# KiCad board signalmesh.kicad_pcb (continued)
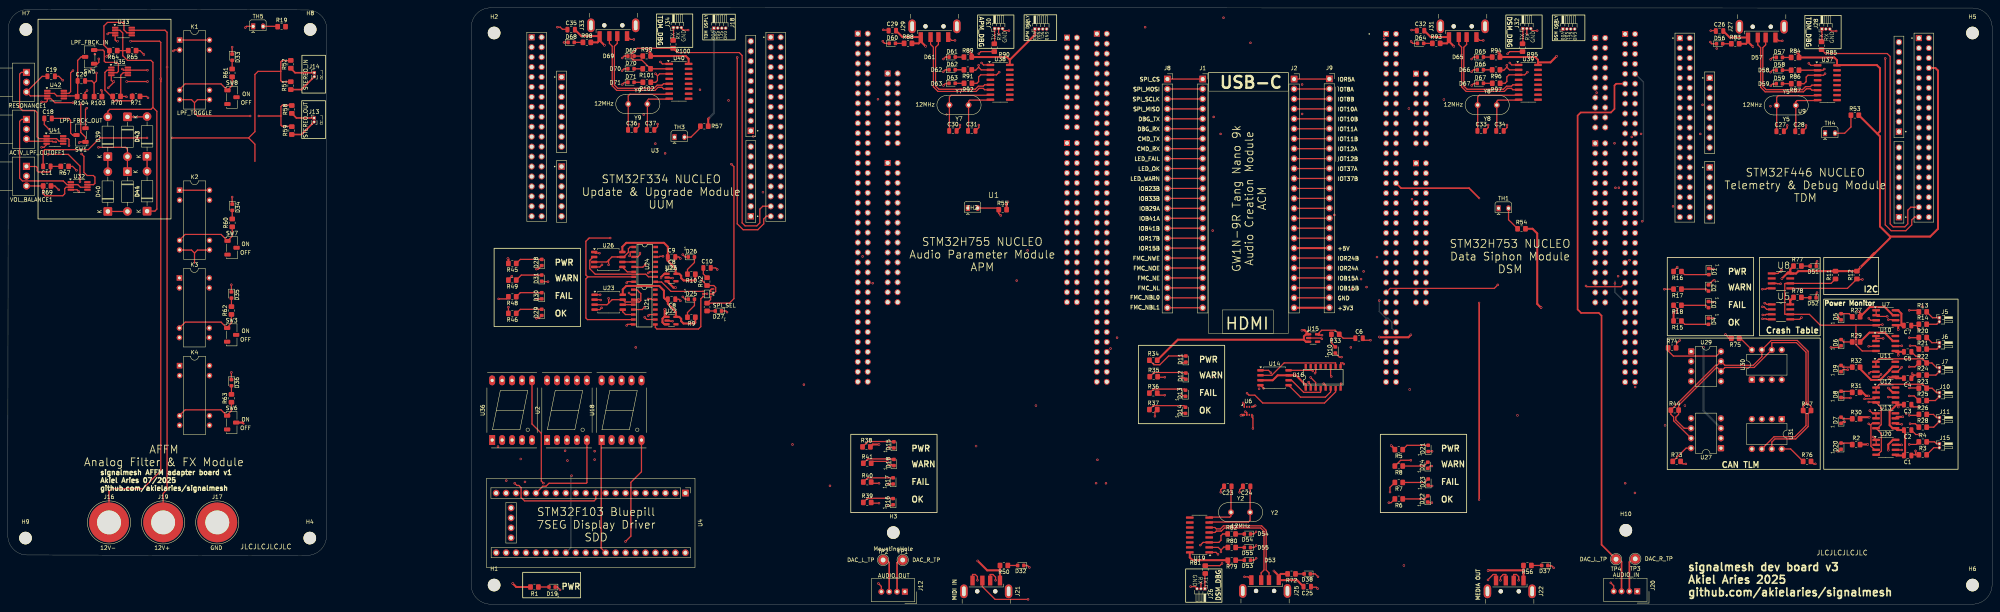
[diagram p0: board, top side]
## Nets (continued)
Net-(D13-A): D13.2 R36.1
Net-(D14-A): D14.2 R37.1
Net-(D15-A): D15.2 R38.1
Net-(D16-A): D16.2 R39.1
Net-(D17-A): D17.2 R40.1
Net-(D18-A): D18.2 R41.1
Net-(D19-A): D19.2 R1.1
Net-(D20-A): D20.2 R2.1
Net-(D21-A): D21.2 R5.1
Net-(D22-A): D22.2 R6.1
Net-(D23-A): D23.2 R7.1
Net-(D24-A): D24.2 R8.1
Net-(D25-A): D25.2 R9.2
Net-(D26-A): D26.2 R10.2
Net-(D27-A): D27.2 R43.2
Net-(D28-A): D28.2 R45.1
Net-(D29-A): D29.2 R46.1
Net-(D30-A): D30.2 R48.1
Net-(D31-A): D31.2 R49.1
Net-(D32-A): D32.2 R50.1
Net-(D33-A): D33.2 R61.2
Net-(D34-A): D34.2 R60.2
Net-(D35-A): D35.2 R62.2
Net-(D36-A): D36.2 R63.2
Net-(D37-A): D37.2 R56.1
Net-(D38-A): D38.2 R72.1
Net-(D39-A): D39.2 D44.1 R64.1 R65.2 U33.2
Net-(D39-K): D39.1 D40.2
Net-(D40-K): D40.1 D41.2
Net-(D41-K): D41.1 D42.2 R64.2 SW1.1 U33.6
Net-(D42-K): D42.1 D43.2
Net-(D43-K): D43.1 D44.2
Net-(D51-A): D51.2 R77.2
Net-(D52-A): D52.2 R78.2
Net-(D53-A): D53.2 R79.1
Net-(D54-A): D54.2 R82.2
Net-(D55-A): D55.2 R80.2
Net-(D56-A): D56.2 R83.1
Net-(D57-A): D57.2 R84.1
Net-(D58-A): D58.2 R86.2
Net-(D59-A): D59.2 R87.2
Net-(D60-A): D60.2 R88.1
Net-(D61-A): D61.2 R89.1
Net-(D62-A): D62.2 R91.2
Net-(D63-A): D63.2 R92.2
Net-(D64-A): D64.2 R93.1
Net-(D65-A): D65.2 R94.1
Net-(D66-A): D66.2 R96.2
Net-(D67-A): D67.2 R97.2
Net-(D68-A): D68.2 R98.1
Net-(D69-A): D69.2 R99.1
Net-(D70-A): D70.2 R101.2
Net-(D71-A): D71.2 R102.2
Net-(J5-Pin_1): J5.1 J5.2 R13.2 R14.2 U7.1 U7.2
Net-(J6-Pin_1): J6.1 J6.2 R20.2 R21.2 U10.1 U10.2
Net-(J7-Pin_1): J7.1 J7.2 R22.2 R24.2 U11.1 U11.2
Net-(J10-Pin_1): J10.1 J10.2 R23.2 R25.2 U12.1 U12.2
Net-(J11-Pin_1): J11.1 J11.2 R26.2 R28.2 U13.1 U13.2
Net-(J15-Pin_1): J15.1 J15.2 R3.2 R4.2 U20.1 U20.2
Net-(R19-Pad1): R19.1 TH5.2
Net-(SW1-A): R70.1 SW1.3 U35.6
Net-(SW1-B): C18.2 SW1.2
Net-(U2-A): U2.7 U4.28
Net-(U2-B): U2.6 U4.27
Net-(U2-C): U2.4 U4.26
Net-(U2-D): U2.2 U4.25
Net-(U2-DP): U2.5 U4.16
Net-(U2-E): U2.1 U4.24
Net-(U2-F): U2.9 U4.23
Net-(U2-G): U2.10 U4.17
Net-(U9A-PA4): R57.1 TH3.2 U9.CN7_32
Net-(U9A-PB0): R55.1 TH2.2 U9.CN7_34
Net-(U9A-PC0/PB8): R54.1 TH1.2 U9.CN7_38
Net-(U9A-PC1/PB9): R53.1 TH4.2 U9.CN7_36
Net-(U14-CLK): U14.6 U16.4
Net-(U14-DI/IO_{0}): U14.5 U16.6
Net-(U14-DO/IO_{1}): U14.2 U16.10
Net-(U14-VCC): C6.1 R33.1 U14.8 U15.5
Net-(U14-~{CS}): U14.1 U16.2
Net-(U18-A): U4.36 U18.7
Net-(U18-B): U4.35 U18.6
Net-(U18-C): U4.34 U18.4
Net-(U18-D): U4.33 U18.2
Net-(U18-DP): U4.29 U18.5
Net-(U18-E): U4.32 U18.1
Net-(U18-F): U4.31 U18.9
Net-(U18-G): U4.30 U18.10
Net-(U19-XI): C24.1 U19.7 Y2.1
Net-(U19-XO): C23.1 U19.8 Y2.2
Net-(U21-1Y): U21.2 U23.1
Net-(U21-2Y): U21.4 U23.6
Net-(U21-3Y): U21.6 U23.5
Net-(U21-4Y): U21.10 U23.2
Net-(U22-VOUT): C8.1 R9.1 U22.5 U23.8
Net-(U24-1Y): U24.2 U26.1
Net-(U24-2Y): U24.4 U26.6
Net-(U24-3Y): U24.6 U26.5
Net-(U24-4Y): U24.10 U26.2
Net-(U25-VOUT): C9.1 R10.1 U25.5 U26.8
Net-(U27-Rs): R73.1 U27.8
Net-(U29-Rs): R74.1 U29.8
Net-(U30-Rs): R75.1 U30.8
Net-(U31-Rs): R76.1 U31.8
Net-(U32-+): R69.2 U32.3 VOL_BALANCE1.3
Net-(U32--): ACTV_LPF_CUTOFF1.1 U32.2 U32.6
Net-(U35--): R70.2 R71.2 U35.2
Net-(U36-A): U4.15 U36.7
Net-(U36-B): U4.14 U36.6
Net-(U36-C): U4.13 U36.4
Net-(U36-D): U4.12 U36.2
Net-(U36-DP): U4.8 U36.5
Net-(U36-E): U4.11 U36.1
Net-(U36-F): U4.10 U36.9
Net-(U36-G): U4.9 U36.10
Net-(U37-XI): C27.1 U37.7 Y5.1
Net-(U37-XO): C28.1 U37.8 Y5.2
Net-(U38-XI): C30.1 U38.7 Y7.1
Net-(U38-XO): C31.1 U38.8 Y7.2
Net-(U39-XI): C33.1 U39.7 Y8.1
Net-(U39-XO): C34.1 U39.8 Y8.2
Net-(U40-XI): C36.1 U40.7 Y9.1
Net-(U40-XO): C37.1 U40.8 Y9.2
Net-(U41-+): ACTV_LPF_CUTOFF1.3 C18.1 U41.3
Net-(U41--): RESONANCE1.1 U41.2 U41.6
Net-(U42-+): C19.1 RESONANCE1.3 U42.3

Pads without a net: ACTV_LPF_CUTOFF1 2; J1 12 13 14 15 16 17; J2 17 19 20 21 22; J8 12 13 14 15 16 17; J9 17 19 20 21 22; J12 1; J17 1; J20 1; J21 5; J22 5; J25 5; J27 5; J29 5; J31 5; J33 5; K1 9 13; K2 9 13; K3 9 13; K4 9 13; RESONANCE1 2; SW3 3; SW6 3; SW7 3; SW8 3; U1 CN7_1 CN7_2 CN7_3 CN7_4 CN7_5 CN7_6 CN7_7 CN7_8 CN7_9 CN7_10 CN7_11 CN7_12 CN7_13 CN7_14 CN7_15 CN7_16 CN7_17 CN7_18 CN7_19 CN7_20 CN8_1 CN8_2 CN8_3 CN8_4 CN8_5 CN8_6 CN8_7 CN8_8 CN8_9 CN8_10 CN8_11 CN8_12 CN8_13 CN8_14 CN8_15 CN8_16 CN9_1 CN9_2 CN9_3 CN9_4 CN9_5 CN9_6 CN9_7 CN9_8 CN9_9 CN9_10 CN9_11 CN9_12 CN9_13 CN9_14 CN9_15 CN9_16 CN9_17 CN9_18 CN9_19 CN9_20 CN9_21 CN9_22 CN9_23 CN9_24 CN9_25 CN9_26 CN9_27 CN9_28 CN9_29 CN9_30 CN10_1 CN10_2 CN10_3 CN10_4 CN10_5 CN10_6 CN10_7 CN10_8 CN10_9 CN10_10 CN10_11 CN10_12 CN10_13 CN10_14 CN10_15 CN10_16 CN10_17 CN10_18 CN10_19 CN10_20 CN10_21 CN10_22 CN10_23 CN10_24 CN10_25 CN10_26 CN10_27 CN10_28 CN10_29 CN10_30 CN10_31 CN10_32 CN10_33 CN10_34 CN11_5 CN11_6 CN11_7 CN11_9 CN11_10 CN11_11 CN11_12 CN11_13 CN11_14 CN11_15 CN11_16 CN11_17 CN11_21 CN11_23 CN11_24 CN11_25 CN11_26 CN11_27 CN11_28 CN11_29 CN11_30 CN11_31 CN11_33 CN11_34 CN11_35 CN11_36 CN11_37 CN11_38 CN11_39 CN11_40 CN11_41 CN11_42 CN11_43 CN11_44 CN11_45 CN11_46 CN11_48 CN11_50 CN11_52 CN11_54 CN11_55 CN11_56 CN11_57 CN11_58 CN11_59 CN11_61 CN11_64 CN11_65 CN11_66 CN11_67 CN11_68 CN11_69 CN11_70 CN12_1 CN12_2 CN12_7 CN12_8 CN12_9 CN12_10 CN12_13 CN12_15 CN12_16 CN12_17 CN12_18 CN12_19 CN12_20 CN12_21 CN12_22 CN12_23 CN12_24 CN12_25 CN12_26 CN12_27 CN12_28 CN12_29 CN12_30 CN12_31 CN12_32 CN12_33 CN12_35 CN12_36 CN12_37 CN12_38 CN12_39 CN12_40 CN12_41 CN12_42 CN12_43 CN12_44 CN12_45 CN12_46 CN12_47 CN12_48 CN12_49 CN12_50 CN12_51 CN12_52 CN12_53 CN12_54 CN12_55 CN12_56 CN12_57 CN12_58 CN12_59 CN12_60 CN12_62 CN12_63 CN12_64 CN12_65 CN12_66 CN12_67 CN12_68 CN12_69 CN12_70 CN12_71 CN12_72; U3 CN5_1 CN5_2 CN5_3 CN5_4 CN5_5 CN5_6 CN5_7 CN5_8 CN5_9 CN5_10 CN6_1 CN6_2 CN6_3 CN6_4 CN6_5 CN6_6 CN6_7 CN6_8 CN7_1 CN7_2 CN7_3 CN7_4 CN7_5 CN7_6 CN7_7 CN7_8 CN7_9 CN7_10 CN7_11 CN7_12 CN7_13 CN7_14 CN7_15 CN7_17 CN7_19 CN7_20 CN7_21 CN7_22 CN7_23 CN7_24 CN7_26 CN7_27 CN7_28 CN7_29 CN7_30 CN7_31 CN7_32 CN7_33 CN7_34 CN7_37 CN8_1 CN8_2 CN8_3 CN8_4 CN8_5 CN8_6 CN9_1 CN9_2 CN9_3 CN9_4 CN9_5 CN9_6 CN9_7 CN9_8 CN10_1 CN10_2 CN10_4 CN10_6 CN10_7 CN10_8 CN10_10 CN10_12 CN10_14 CN10_16 CN10_17 CN10_18 CN10_19 CN10_22 CN10_24 CN10_25 CN10_26 CN10_27 CN10_28 CN10_29 CN10_30 CN10_31 CN10_32 CN10_33 CN10_34 CN10_36 CN10_38; U4 1 2 3 4 5 19 20 21 22 37 38 40 41 42 43 44; U5 7; U6 2 3 6; U8 2 7; U9 CN5_1 CN5_2 CN5_3 CN5_4 CN5_5 CN5_6 CN5_7 CN5_8 CN5_9 CN5_10 CN6_1 CN6_2 CN6_3 CN6_4 CN6_5 CN6_6 CN6_7 CN6_8 CN7_1 CN7_2 CN7_3 CN7_4 CN7_5 CN7_6 CN7_7 CN7_8 CN7_9 CN7_10 CN7_11 CN7_12 CN7_13 CN7_14 CN7_15 CN7_16 CN7_17 CN7_18 CN7_19 CN7_20 CN7_21 CN7_22 CN7_23 CN7_24 CN7_25 CN7_26 CN7_27 CN7_28 CN7_29 CN7_30 CN7_31 CN7_33 CN7_35 CN7_37 CN8_1 CN8_2 CN8_3 CN8_4 CN8_5 CN8_6 CN9_1 CN9_2 CN9_3 CN9_4 CN9_5 CN9_6 CN9_7 CN9_8 CN10_1 CN10_2 CN10_4 CN10_7 CN10_10 CN10_13 CN10_15 CN10_16 CN10_17 CN10_18 CN10_19 CN10_21 CN10_22 CN10_23 CN10_24 CN10_25 CN10_26 CN10_27 CN10_28 CN10_29 CN10_30 CN10_31 CN10_32 CN10_33 CN10_36 CN10_38; U15 4; U16 12 13 15 16; U17 CN7_1 CN7_2 CN7_3 CN7_4 CN7_5 CN7_6 CN7_7 CN7_8 CN7_9 CN7_10 CN7_11 CN7_12 CN7_13 CN7_14 CN7_15 CN7_16 CN7_17 CN7_18 CN7_19 CN7_20 CN8_1 CN8_2 CN8_3 CN8_4 CN8_5 CN8_6 CN8_7 CN8_8 CN8_9 CN8_10 CN8_11 CN8_12 CN8_13 CN8_14 CN8_15 CN8_16 CN9_1 CN9_2 CN9_3 CN9_4 CN9_5 CN9_6 CN9_7 CN9_8 CN9_9 CN9_10 CN9_11 CN9_12 CN9_13 CN9_14 CN9_15 CN9_16 CN9_17 CN9_18 CN9_19 CN9_20 CN9_21 CN9_22 CN9_23 CN9_24 CN9_25 CN9_26 CN9_27 CN9_28 CN9_29 CN9_30 CN10_1 CN10_2 CN10_3 CN10_4 CN10_5 CN10_6 CN10_7 CN10_8 CN10_9 CN10_10 CN10_11 CN10_12 CN10_13 CN10_14 CN10_15 CN10_16 CN10_17 CN10_18 CN10_19 CN10_20 CN10_21 CN10_22 CN10_23 CN10_24 CN10_25 CN10_26 CN10_27 CN10_28 CN10_29 CN10_30 CN10_31 CN10_32 CN10_33 CN10_34 CN11_1 CN11_2 CN11_5 CN11_6 CN11_7 CN11_9 CN11_10 CN11_11 CN11_12 CN11_13 CN11_14 CN11_15 CN11_16 CN11_17 CN11_23 CN11_24 CN11_25 CN11_26 CN11_27 CN11_28 CN11_29 CN11_30 CN11_31 CN11_33 CN11_34 CN11_35 CN11_36 CN11_37 CN11_38 CN11_42 CN11_43 CN11_44 CN11_45 CN11_46 CN11_48 CN11_50 CN11_52 CN11_54 CN11_56 CN11_58 CN11_59 CN11_63 CN11_64 CN11_65 CN11_66 CN11_67 CN11_68 CN11_70 CN12_1 CN12_2 CN12_7 CN12_8 CN12_9 CN12_13 CN12_15 CN12_16 CN12_17 CN12_18 CN12_20 CN12_21 CN12_22 CN12_23 CN12_24 CN12_25 CN12_26 CN12_27 CN12_28 CN12_29 CN12_30 CN12_31 CN12_32 CN12_33 CN12_35 CN12_36 CN12_37 CN12_38 CN12_39 CN12_41 CN12_42 CN12_43 CN12_45 CN12_50 CN12_54 CN12_57 CN12_58 CN12_59 CN12_60 CN12_61 CN12_62 CN12_63 CN12_66 CN12_67 CN12_68 CN12_69 CN12_70 CN12_71 CN12_72; U19 4 9 10 11 12 13 14 15; U21 12 13 15 16; U22 4; U24 12 13 15 16; U25 4; U27 5; U29 5; U30 5; U31 5; U32 1 5 8; U33 1 5 8; U35 1 5 8; U37 4 9 10 11 12 13 14 15; U38 4 9 10 11 12 13 14 15; U39 4 9 10 11 12 13 14 15; U40 4 9 10 11 12 13 14 15; U41 1 5 8; U42 1 5 8; VOL_BALANCE1 2

## Via types
v1: diameter 0.6, hole 0.3, Top to Bottom, 338 vias
v2: diameter 0.6, hole 0.4, Top to Bottom, 61 vias
v3: diameter 0.5, hole 0.3, Top to Bottom, 4 vias

## Routing (per net, layer and track width the routed paths; a pad name or vN(x,y) marks a point on that pad's centre or on a via; arc(x,y) is an arc through that point)
3V3_ACM: length 40.3
  Top w0.5: U14.3 322.55,57.19 323.82,58.46 U14.7 327.69,58.46 v2(328.08,58.84) 330.69,56.22 330.97,56.22 U16.1 ; J2.24 336.96,75.7 J9.24
  In1.Cu w0.5: J2.24 328,58.91 v2(328.08,58.84)
5V_7SDD: length 395.8
  Top w0.5: R1.2 129.65,4.38 v2(128.75,5.28) ; v2(479.52,39.34) 479.52,40.77 480.71,41.96 U20.8
  In1.Cu w0.5: v2(128.75,5.28) 127.64,6.39 127.64,8.1 123.17,12.58 123.17,21.95 U4.18 130.05,28.83 130.05,31.21 129.85,31.41 129.85,36.13 v2(130.8,37.08)
  In2.Cu w0.5: v2(130.8,37.08) 131.95,38.23 478.41,38.23 v2(479.52,39.34)
5V_TDM: length 59.5
  Top w0.5: C7.2 482.95,71.16 482.86,71.25 ; U20.5 481.57,37.97 C1.2 483.81,38.26 483.81,44.16 C2.2 481.83,44.45 U13.5 480.64,44.94 479.87,45.71 479.87,49.17 481.79,51.09 ; C4.2 481.5,57.71 481.31,57.9 ; 482.86,71.25 482.86,74.22 482.01,75.06 U7.8 ; 482.86,71.25 482.05,71.25 ; U10.5 481.54,64.46 482.07,64.46 ; 482.05,71.25 v2(482.05,70.12) ; 482.05,71.25 U7.5 ; 481.79,51.09 U12.5 ; 481.79,51.09 481.92,50.96 482.07,50.96 ; v2(482.07,63.58) 482.07,64.46 ; 482.07,64.46 C5.2 ; C3.2 482.07,50.96 ; 482.07,50.96 v2(482.07,50.34) ; v2(479.6,57.86) 479.64,57.9 481.31,57.9 ; 481.31,57.9 U11.5
  In1.Cu w0.5: v2(482.05,70.12) 482.05,63.59 v2(482.07,63.58) 479.6,61.11 v2(479.6,57.86) 482.07,55.4 v2(482.07,50.34)
/AFFM/AFFM_filters/LPFs/12V+: length 186.5
  Top w0.3: U32.7 21.86,107.14 22.2,107.48 22.2,109.08 21.8,109.48 20.2,109.48 19.4,110.28 19.4,114.38 v1(18.8,114.98) ; U41.7 15.39,118.89 15.6,118.68 v1(15.6,117.08) ; J19.1 39.6,28.28 40.6,29.28 40.6,146.08 40.1,146.58 U33.7 ; 35.49,136.39 U35.7 29.49,136.39 v1(29.2,136.68) ; U42.7 15.58,130.46 16,130.88 16,135.68 v1(16.6,136.28)
  In1.Cu w0.3: v1(21.2,136.68) v1(29.2,136.68) ; 40.55,137.13 39.8,136.38 v1(35.6,136.38) ; v1(18.8,114.98) 18.4,115.38 16.3,115.38 15.6,116.08 v1(15.6,117.08)
  In2.Cu w0.3: v1(21.2,136.68) 20.8,136.28 v1(16.6,136.28)
  vias: v1(40.6,137.18)
/AFFM/AFFM_filters/LPFs/12V-: length 218.4
  Top w0.3: 39,133.48 39,34.08 34.4,29.48 26.5,29.48 25.8,28.78 J16.1 ; 39,133.48 v1(39,134.18) ; 39,133.48 39,143.48 38.7,143.78 v2(31.3,143.78) ; 26.38,134.98 26.38,133.81 26.7,133.48 ; v2(28,143.78) 27.7,143.78 27.38,144.11 U33.4 ; v1(25.6,131.88) 27,133.28 v2(27,133.48) ; U41.4 9.89,117.37 9.2,116.68 v1(8.6,116.68) ; v1(10.2,114.88) 15.4,114.88 18.4,111.88 v1(18.4,107.88) ; v1(8.6,128.28) 9.8,128.28 10.06,128.54 U42.4 10.92,129.16 12,128.08 v1(16.6,128.08) ; U32.4 17.64,105.84 v1(18.1,105.38) ; v2(30.3,133.48) v1(35.6,133.48)
  In1.Cu w0.3: v1(10.2,114.88) 9.4,114.88 8.6,115.68 v1(8.6,116.68) 8.2,117.08 8.2,127.88 v1(8.6,128.28) ; v1(18.1,105.38) 18.4,105.68 v1(18.4,107.88) ; v2(28,143.78) v2(31.3,143.78) ; v1(39,134.18) 38.3,133.48 v1(35.6,133.48) ; v2(27,133.48) v2(30.3,133.48)
  In2.Cu w0.3: v1(25.6,131.88) 25.6,129.88 25.2,129.48 18.8,129.48 17.4,128.08 v1(16.6,128.08)
GND: length 314.6
  Top w0.3: 33.75,129.68 35.38,129.68 v1(35.75,129.31) ; U5.1 448.51,76.56 448.19,76.88 v1(448,76.88) ; v1(151.5,86.68) 150.95,86.13 U26.4 ; v1(163.31,84.59) 163.6,84.88 165.19,84.88 U24.11 ; 57.2,102.18 v1(57.2,103.98) ; v1(34.7,140.38) 33.7,141.38 R65.1 ; v1(299.29,48.87) 300.14,48.87 D14.1 ; v1(452.06,81.84) 451.18,81.84 451.09,81.93 U8.3 ; 461.16,78.36 461.16,78.88 ; 461.16,78.88 461.11,78.83 D52.1 ; 461.16,78.88 461.16,79.39 v1(461.35,79.58) ; v1(466.25,146.38) 465,146.38 464.6,146.78 J28.3 ; C19.2 13,134.81 v1(14,133.81) ; v1(180.91,85.48) 180.5,85.88 C10.2 ; v1(42.2,141.28) 42.46,141.54 K1.2 ; v1(173.5,146.63) 172.25,146.63 171.85,147.03 171.85,147.15 ; v1(223.12,143.79) 223.12,143.69 223.55,143.26 223.55,143.23 D60.1 ; v1(466.57,39.06) 466.97,39.06 D20.1 ; U8.4 448.51,80.66 448.3,80.45 v1(447.4,80.45) ; J26.3 303.25,4.08 302.85,4.48 v1(301.6,4.48) ; C3.1 485.98,50.39 v1(487.37,50.39) ; v1(166.4,138.49) 166.9,137.99 U40.1 ; 239.57,132.98 240.05,132.98 ; 239.57,132.98 239.96,132.98 D63.1 ; 239.57,132.98 239.09,132.98 v1(238.59,132.48) ; D5.1 466.8,73.3 v1(466.74,73.3) ; J21.4 246,7.58 246.7,7.58 247.25,7.04 v1(247.25,6.1) ; 374.73,139.73 D65.1 373.77,139.73 v1(373.27,139.23) ; D28.1 135.23,85.57 v1(134.78,85.57) ; 240.03,139.73 D61.1 239.07,139.73 v1(238.57,139.23) ; 409.5,3.36 409.5,4.71 v1(408.75,5.46) ; R20.1 487.26,68.06 v1(484.87,68.06) ; v1(435.15,82.71) 434.83,82.71 D2.1 ; U39.1 383.5,137.73 v1(383,138.23) ; R69.1 12,106.81 v1(13,105.81) ; 481.35,46.21 481.61,45.94 v1(482.94,45.94) ; v1(160.9,122.64) 160.9,121.99 C36.2 ; 157.67,133.24 157.19,133.24 v1(156.69,132.74) ; 157.67,133.24 158.06,133.24 D71.1 ; 157.67,133.24 158.15,133.24 ; R13.1 486.92,75.05 v1(484.87,75.05) ; v1(223.22,146.69) 223.25,146.66 223.25,146.63 224.45,146.63 C29.1 ; C34.2 382.3,121.73 v1(382.3,122.38) ; 317.33,17.98 316.94,17.98 D54.1 ; 317.33,17.98 317.81,17.98 v1(318.31,18.48) ; 317.33,17.98 316.85,17.98 ; v1(447.4,75.96) 447.84,75.96 448.51,75.29 U5.2 ; v1(315,51.4) 315.3,51.1 U6.1 ; 450.52,132.88 450.04,132.88 v1(449.54,132.38) ; 450.52,132.88 451,132.88 ; 450.52,132.88 450.91,132.88 D59.1 ; v1(426.34,67.38) 425.52,66.56 425.52,65.58 R74.2 ; D15.1 225.79,40.05 v1(224.65,40.05) ; C33.2 377.5,121.73 v1(377.5,122.38) ; v1(314.1,28.58) 314.1,29.23 C24.2 ; v1(485.07,46.09) 486.43,46.09 R28.1 ; v1(479.51,52.9) 481.25,52.9 U12.6 ; v1(247.6,122.38) 247.6,121.73 C31.2 ; v1(452.34,85.41) 451.4,84.47 449.8,84.47 ; v1(486.47,39.15) 486.47,38.16 ; 486.47,38.16 R3.1 ; 486.47,38.16 485.61,38.16 C1.1 ; v1(363.19,39.03) 362.24,39.03 D21.1 ; J27.4 451.6,143.88 v1(452.5,143.88) ; v1(140.13,147.37) 140.87,147.37 141.4,146.84 142.6,146.84 C35.1 ; v1(485.07,66) 486.47,66 R21.1 ; U37.1 459.75,137.63 v1(459.25,138.13) ; v1(340.11,63.1) 339.54,63.1 D10.1 ; U28.2 177.35,79.28 v1(178.31,79.28) ; D26.1 172.71,88.68 v1(172.1,89.28) ; v1(461.36,87.56) 461.17,87.37 461.17,86.86 ; v1(487.37,43.33) 486.53,43.33 C2.1 ; v1(156.65,136.24) 157.15,136.74 D70.1 ; v1(363.19,30.19) 362.41,30.19 D23.1 ; v1(299.34,57.74) 300.1,57.74 D12.1 ; v1(482.99,39.38) 481.42,39.38 U20.6 ; C8.2 171.1,77.88 v1(171.5,77.48) ; v1(460.92,35.84) 460.43,35.84 R76.2 ; v1(333.34,58.99) 333.51,59.16 U16.14 ; v1(377.45,6.18) 377.45,6.27 378.76,7.58 379.5,7.58 J22.4 ; v1(309.3,28.58) 309.3,29.23 C23.2 ; D3.1 433.8,77.17 v1(434.89,77.17) ; C6.2 346.03,67.41 v1(347.48,67.41) ; v1(157.8,82.08) 158.09,82.38 158.85,82.38 ; 486.98,71.16 486.98,70.44 v1(487.37,70.04) ; 486.98,71.16 R14.1 ; 486.98,71.16 C7.1 ; 165.1,73.98 163.6,73.98 v1(163.31,73.68) ; v1(242.8,122.38) 242.8,121.73 C30.2 ; D58.1 450,136.38 v1(449.5,135.88) ; v1(427.91,35.84) 427.18,35.84 R73.2 ; v1(224.65,35.56) 225.78,35.56 D18.1 ; v1(484.87,40.8) 486.64,40.8 R4.1 ; v1(482.95,60.49) 481.82,59.36 U11.6 ; v1(464.89,65.58) 467.06,65.58 D6.1 ; 449.93,74.02 448.36,74.02 448.22,73.88 v1(447.5,73.88) ; C27.2 453.75,121.63 v1(453.75,122.28) ; v1(151.41,75.68) 150.95,75.23 U23.4 ; v1(434.94,85.63) 433.89,85.63 D1.1 ; v1(479.52,72.68) 481.23,72.68 U7.6 ; D29.1 135.43,73.01 v1(134.78,73.01) ; J2.23 336.96,78.24 J9.23 ; D22.1 362.27,25.92 v1(363.14,25.92) ; D17.1 225.71,30.74 v1(224.55,30.74) ; v1(238.55,135.98) 239.05,136.48 D62.1 ; 374.27,132.98 374.66,132.98 D67.1 ; 374.27,132.98 374.75,132.98 ; 374.27,132.98 373.79,132.98 v1(373.29,132.48) ; 158.85,71.48 159.6,71.48 ; 158.85,71.48 158.09,71.48 v1(157.8,71.19) ; 158.85,71.48 159.46,71.48 U21.8 ; v1(357.95,146.63) 359.15,146.63 C32.1 ; v1(167.08,88.85) 166.27,88.85 166.1,88.69 U24.14 ; D37.1 392.81,9.78 393.24,9.78 ; v1(469.88,52.67) 467.61,52.67 D8.1 ; v1(337.48,58.14) 337.32,58.31 U16.11 ; U38.1 248.8,137.73 v1(248.3,138.23) ; v1(159.65,144.24) 158.75,144.24 J33.4 ; v1(334,3.98) 333.65,4.33 332.45,4.33 C25.1 ; R24.1 486.21,58.51 486.1,58.4 ; TH5.1 60.88,147.58 v1(60.56,147.26) ; v1(394.2,9.28) 393.7,9.78 393.24,9.78 ; D55.1 317.85,14.48 v1(318.35,14.98) ; v1(447.44,72.88) 448.38,72.88 448.51,72.75 U5.4 ; v1(308.6,12.73) 308.1,13.23 U19.1 ; v1(335.09,67.76) 334.88,67.97 U15.2 ; 316.87,11.23 D53.1 317.83,11.23 v1(318.33,11.73) ; v1(320.21,55.13) U14.4 ; D31.1 136.26,82.37 v1(137.75,82.37) ; D56.1 434.5,143.13 434.15,143.48 v1(434.15,143.58) ; v1(487.37,63.32) 486.55,63.32 C5.1 ; v1(485.59,58.91) 486.1,58.4 ; 486.1,58.4 C4.1 ; J34.3 171.75,147.14 172.15,146.74 ; J31.4 375.35,143.98 v1(376.25,143.98) ; v1(484.87,60.62) 486.33,60.62 R22.1 ; v1(255.3,146.48) 254.05,146.48 253.65,146.88 J30.3 ; 392.77,9.78 393.24,9.78 ; v1(169.5,72.28) 168.91,72.28 168.75,72.43 U22.2 ; D32.1 260,9.88 v1(260.5,9.38) ; v1(163.29,77.97) 164.02,77.97 164.2,77.79 165.1,77.79 ; v1(438,68.88) 439,67.88 R75.2 ; v1(140.82,3.66) 140.1,4.38 D19.1 ; v1(482.96,66) 481.39,66 U10.6 ; D25.1 172.71,77.88 v1(172.1,78.48) ; v1(165.7,122.64) 165.7,121.99 C37.2 ; 141.65,143.49 D68.1 ; v1(17.5,110.81) 16.5,111.81 R67.1 ; R25.1 486.13,53.19 v1(484.87,53.19) ; D66.1 373.75,136.48 v1(373.25,135.98) ; v1(315.56,49.16) 315.82,48.9 315.95,48.9 U6.7 ; v1(299.29,53.28) 300.1,53.28 D13.1 ; 57,57.38 v1(57,59.18) ; J12.4 222.75,4.53 v1(222,5.28) ; v1(469.18,59.88) 467.97,59.88 D9.1 ; v1(183.4,74.58) 183.1,74.88 D27.1 ; v1(315.35,6.98) 316.25,6.98 J25.4 ; D24.1 362.69,35.28 v1(363.14,35.28) ; C9.2 171.1,88.68 v1(171.5,88.28) ; v1(241.55,143.98) 240.65,143.98 J29.4 ; v1(134.78,77.93) 136.09,77.93 D30.1 ; v1(458.55,122.28) 458.55,121.63 C28.2 ; D16.1 225.52,25.16 v1(224.55,25.16) ; v1(23.8,131.28) 24,131.08 R103.1 ; v1(334.1,6.98) 333.35,7.73 D38.1 ; 461.17,86.85 D51.1 461.17,86.86 ; C26.1 435.45,146.48 v1(434.25,146.48) ; D4.1 433.7,73.02 v1(434.89,73.02) ; v1(20.2,131.18) 19.67,130.66 R104.1 ; U25.2 168.75,83.43 168.91,83.28 v1(169.5,83.28) ; v1(484.87,55.22) 487.25,55.22 R23.1 ; D7.1 467.87,46.56 v1(468.44,46.56) ; v1(449.52,139.13) 450.02,139.63 D57.1 450.98,139.63 ; v1(339.99,56.31) 339.86,56.19 U16.8 ; 158.85,82.38 159.6,82.38 ; 158.85,82.38 159.56,82.38 U24.8 ; R26.1 487.1,48.23 v1(484.87,48.23) ; 158.13,139.99 D69.1 157.17,139.99 v1(156.67,139.49) ; 57,79.78 v1(57,81.58) ; v1(299.34,61.62) 300.2,61.62 D11.1 ; v1(390,146.48) 388.75,146.48 388.35,146.88 J32.3 ; v1(357.85,143.73) 357.85,143.63 358.25,143.23 D64.1 ; D33.1 v1(57.2,142.28) ; 141.9,143.33 v1(141.9,143.49) 141.9,143.33
/ACM/ACM_LED_FAIL: length 78.1
  Top w0.3: J1.9 J8.9 ; v1(292.52,48) 292.52,49.12 R37.2
  In1.Cu w0.3: v1(292.52,48) 292.52,110.63 J8.9
/ACM/ACM_LED_OK: length 65.3
  Top w0.3: J1.10 J8.10 ; R35.2 293.34,57.96 v1(295.03,57.96)
  In1.Cu w0.3: v1(295.03,57.96) 294.03,58.97 294.03,109.6 J8.10
/ACM/ACM_LED_WARN: length 67.7
  Top w0.3: v1(295.02,53.38) 293.62,53.38 R36.2 ; J1.11 J8.11
  In1.Cu w0.3: v1(295.02,53.38) 295.69,54.05 295.69,73.79 294.54,74.95 294.54,107.57 J8.11
/ACM/ACM_SPI_CS: length 114.5
  Top w0.3: v1(332.21,57.92) 333.51,56.62 U16.3 ; J1.1 J8.1
  In1.Cu w0.3: v1(330.04,132.73) 329.44,132.13 329.44,103.83 332.17,101.1 332.17,57.95 v1(332.21,57.92)
  In2.Cu w0.3: J1.1 305.84,134.12 307.23,132.73 v1(330.04,132.73)
/ACM/ACM_SPI_MISO: length 105
  Top w0.3: v1(340.7,61.33) 340.4,61.62 339.86,61.62 U16.9 ; J1.4 J8.4
  In1.Cu w0.3: v1(340.7,61.33) 335.75,66.28 335.75,105.21 330.04,110.91 v1(330.04,125.21)
  In2.Cu w0.3: J1.4 305.99,125.21 v1(330.04,125.21)
/ACM/ACM_SPI_MOSI: length 117.1
  Top w0.3: v1(316,53.88) 316.5,53.38 318,53.38 320,51.38 335.75,51.38 338.59,54.22 U16.7 ; J1.2 J8.2
  In1.Cu w0.3: J1.2 316,120.27 v1(316,53.88)
/ACM/ACM_SPI_SCLK: length 114
  Top w0.3: U16.5 336.05,56.02 335.83,56.02 v1(335.54,56.31) ; J1.3 J8.3
  In1.Cu w0.3: v1(307.51,58.14) 303.49,62.16 303.49,119.34 304.19,120.03 304.98,120.03 305.9,120.95 305.9,127.83 J1.3
  In2.Cu w0.3: v1(307.51,58.14) 309.57,56.08 335.31,56.08 v1(335.54,56.31)
/ACM_CMD_RX: length 104.9
  Top w0.3: J1.7 J8.7
  In1.Cu w0.3: v1(221.88,128.96) 221.88,143.11 U1.CN11_2
  In2.Cu w0.3: v1(221.88,128.96) 221.88,128.84 223.95,126.77 229.21,126.77 237.1,118.88 J8.7
/ACM_CMD_TX: length 124
  Top w0.3: J1.8 J8.8
  In1.Cu w0.3: J8.8 290.02,122.01 v1(290.02,147.37)
  In2.Cu w0.3: 288.03,149.36 v1(290.02,147.37) ; 288.03,149.36 v1(290.02,147.37) ; 288.03,149.36 287.39,149.36 287.07,149.68 221.63,149.68 217.8,145.84 217.8,145.71 U1.CN11_1 ; 288.03,149.36 v1(290.02,147.37)
/ACM_DBG_RX: length 137.1
  Top w0.3: J8.6 J1.6 ; v1(304.25,5.33) J26.2 ; 310.43,17.93 309.8,17.93 309.35,17.48 309.35,16.31 308.81,15.77 U19.3 304.79,15.77 v1(304.1,15.08) ; 310.43,17.93 R82.1 310.43,17.93
  In1.Cu w0.3: v1(304.25,5.33) 304.1,5.48 v1(304.1,15.08) 303.01,16.17 303.01,119.75 J1.6
/ACM_DBG_TX: length 138.2
  Top w0.3: 310.82,14.21 R80.1 311,14.58 310.1,14.58 309.35,13.83 ; R81.2 309.06,9.83 v1(309.63,10.4) ; 309.35,13.83 v1(309.35,13.33) ; 309.35,13.83 308.68,14.5 U19.2 306.37,14.48 ; J8.5 J1.5
  In1.Cu w0.3: v1(309.63,10.4) 309.63,13.05 v1(309.35,13.33) 309.92,13.91 309.92,122.02 v1(307.51,124.44)
  In2.Cu w0.3: J1.5 307.03,123.96 v1(307.51,124.44)
/AFFM/AFFM_filters/BPF_TOGGLE: length 17.4
  Top w0.3: 55.82,70.58 57.02,71.78 57.02,74.03 ; 56.02,70.38 54.37,72.03 45.22,72.03 43.82,70.63
/AFFM/AFFM_filters/BSF_TOGGLE: length 17.4
  Top w0.3: 55.82,48.18 57.02,49.38 57.02,51.63 ; 43.82,48.23 45.22,49.63 54.37,49.63 56.02,47.98
/AFFM/AFFM_filters/HPF_IN: length 7.6
  Top w0.3: K2.1 K2.14
/AFFM/AFFM_filters/HPF_OUT: length 10.8
  Top w0.3: 51.42,90.44 48.36,90.44 47.6,89.68 ; 43.8,90.44 46.84,90.44 47.6,89.68 ; 47.6,89.68 47.6,87.08
/AFFM/AFFM_filters/HPF_TOGGLE: length 17.4
  Top w0.3: 43.82,93.03 45.22,94.43 54.37,94.43 SW7.1 57.22,93.98 57.22,96.23
/AFFM/AFFM_filters/LPF_IN: length 45.3
  Top w0.3: R103.2 22,133.06 ; 22,133.06 21.42,133.64 C20.2 ; 22,133.06 22.6,133.66 v1(22.6,135.68) ; K1.1 K1.14
  In2.Cu w0.3: K1.1 41.6,144.08 41.2,143.68 41.2,139.08 41,138.88 24.4,138.88 24.2,138.68 24.2,136.68 24,136.48 22.8,136.48 22.6,136.28 v1(22.6,135.68)
/AFFM/AFFM_filters/LPF_OUT: length 43.6
  Top w0.3: 47.6,128.08 46.84,128.84 K1.7 43.96,128.68 ; 47.6,128.08 47.6,125.48 48.4,124.68 v1(61.8,124.68) ; 47.6,128.08 48.36,128.84 K1.8 ; 72.2,122.06 69.95,122.06 69.65,122.36 69.65,124.68 ; 69.65,124.68 69.65,127.11 70,127.46 72.2,127.46 ; 69.65,124.68 v1(64,124.68)
  In1.Cu w0.3: v1(64,124.68) v1(61.8,124.68)
/AFFM/AFFM_filters/LPF_TOGGLE: length 17.6
  Top w0.3: K1.6 43.8,131.48 45.2,132.88 54.35,132.88 SW8.1 57.2,132.43 R61.1
/AFFM/AFFM_filters/LPFs/CFBACK_OUT: length 12.5
  Top w0.3: U33.3 25.75,145.93 v1(25.45,145.63) ; SW5.1 22.85,138.03 23.2,138.38 v1(23.2,139.28)
  In1.Cu w0.3: v1(23.2,139.28) 23.2,144.88 23.6,145.28 25.1,145.28 v1(25.45,145.63)
/AFFM/AFFM_filters/LPFs/Fback_in: length 19.5
  Top w0.3: U42.2 11.85,130.46 12.5,129.81 U42.6 17.5,129.81 R104.2 17.8,129.76 C20.1 17.8,138.88 18.7,139.78 SW5.2
/AFFM/AFFM_filters/LPFs/RFBACK_OUT: length 13
  Top w0.3: U35.3 27.86,135.74 28.2,136.08 28.2,137.98 27.8,138.38 24.9,138.38 24.6,138.68 24.6,141.18 24.25,141.53 SW5.3
/AFFM/AFFM_filters/MONO_IN: length 98.3
  Top w0.3: 72.15,138.83 69.95,138.83 69.6,138.48 69.6,136.08 ; 69.6,136.08 63.8,136.08 63,135.28 63,120.68 61.4,119.08 ; 69.6,136.08 69.6,133.73 69.9,133.43 R51.2 ; 63,113.08 63,117.48 61.4,119.08 ; 61.4,119.08 v1(41.9,119.08) ; C11.2 9,115.68 9.4,116.08 20.5,116.08 23.5,119.08 v1(35.5,119.08)
  In1.Cu w0.3: v1(41.9,119.08) v1(35.5,119.08)
/APM/7SDD_CMD_RX: length 90
  In1.Cu w0.3: U1.CN11_63 210.08,60.31 210.08,30.66 v1(209.65,30.23)
  In2.Cu w0.3: U4.6 161.23,29.53 208.95,29.53 v1(209.65,30.23)
/APM/7SDD_CMD_TX: length 157.5
  In1.Cu w0.3: U4.7 157.76,28.6 157.76,63.22 v1(160.12,65.58)
  In2.Cu w0.3: U1.CN12_61 273.79,65.58 v1(160.12,65.58)
/APM/APM_I2C1_SCL: length 108
  In1.Cu w0.3: v1(217.96,88.81) 217.96,83.43 U1.CN11_51 ; J4.3 263.9,108.82 260.04,104.97 v1(260.04,90.36)
  In2.Cu w0.3: v1(217.96,88.81) 218,88.78 227.34,88.78 228.92,90.36 v1(260.04,90.36)
/APM/APM_I2C1_SDA: length 109.2
  In1.Cu w0.3: J4.2 262.9,109.62 257.26,103.98 v1(257.26,82.64)
  In2.Cu w0.3: U1.CN11_53 217.8,78.62 253.23,78.62 v1(257.26,82.64)
/APM/APM_LED_FAIL: length 129
  Top w0.3: v1(224.3,36.47) 220.64,36.47 R41.2
  In1.Cu w0.3: 278.97,36.88 278.97,103.78 U1.CN12_34 ; 278.97,36.88 v1(277.84,36.88) 278.97,36.88
  In2.Cu w0.3: v1(224.3,36.47) 224.71,36.88 v1(277.84,36.88)
/APM/APM_LED_OK: length 176.1
  Top w0.3: v1(222.16,25.79) 220.34,25.79 R39.2
  In1.Cu w0.3: v1(280.03,30.88) 282.25,33.11 282.25,141.14 U1.CN12_4
  In2.Cu w0.3: v1(222.16,25.79) 274.94,25.79 v1(280.03,30.88)
/APM/APM_LED_WARN: length 170.3
  Top w0.3: R40.2 220.45,30.88 v1(222.16,30.88)